# KiCad board SP110Duo.kicad_pcb (continued)
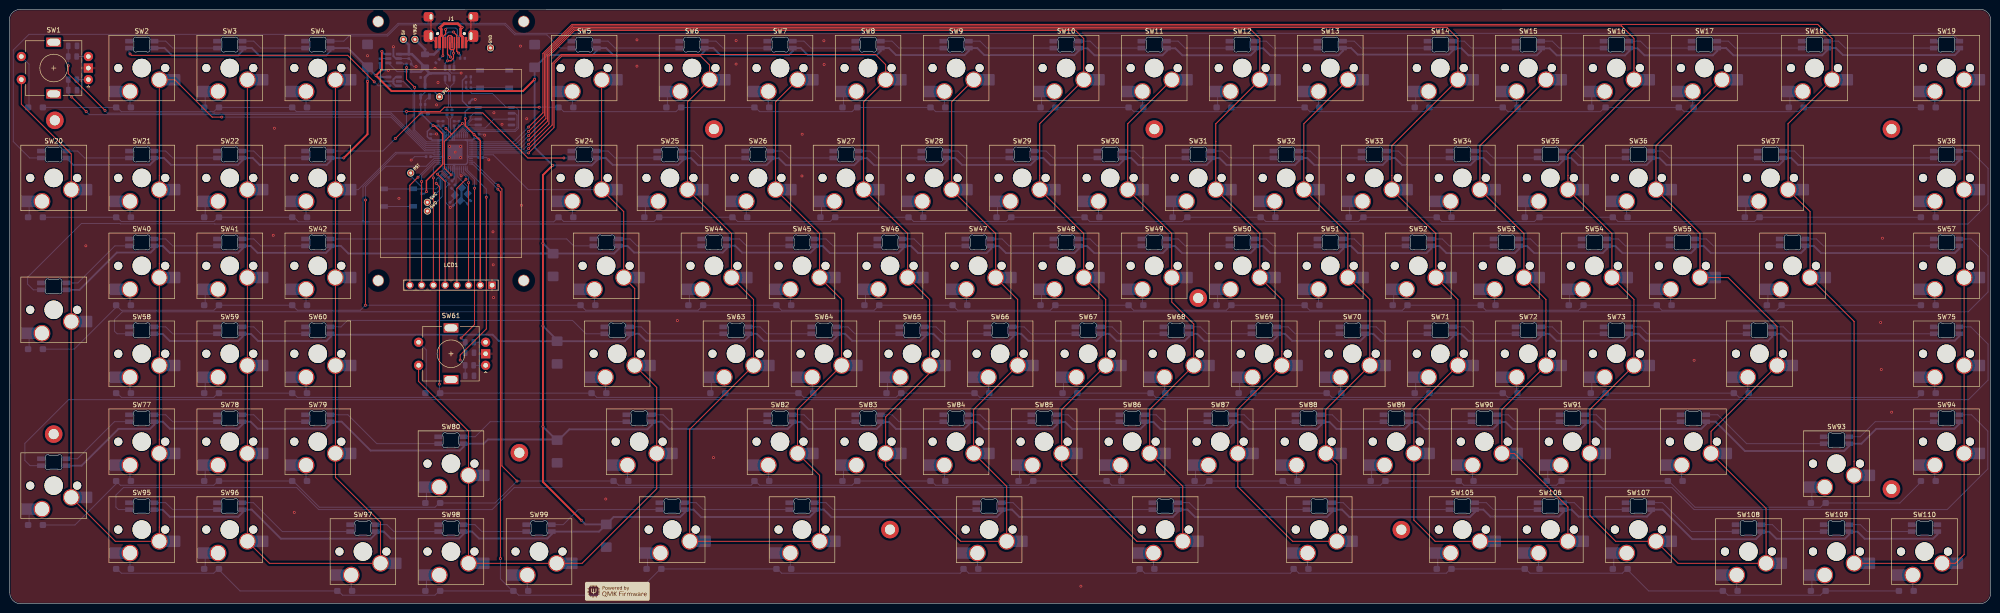
[diagram p0: board, top side]
## Nets
5V_Reg: C1.2 C3.2 F1.2 R5.2 TP2.1 U1.3 U2.1 U3.5
+1V1: C15.1 C16.1 C25.1 U4.23 U4.45 U4.50
+3V3: C2.2 C14.1 C17.1 C18.1 C19.1 C20.1 C21.1 C26.1 C27.1 C28.1 LCD1.2 R9.2 R10.2 TP3.1 U1.2 U4.1 U4.10 U4.22 U4.33 U4.42 U4.43 U4.44 U4.48 U4.49 U6.8
GND: BOOT1.2 C1.1 C2.1 C3.1 C4.2 C5.2 C6.2 C7.2 C8.2 C9.2 C10.1 C11.1 C12.1 C13.2 C14.2 C15.2 C16.2 C17.2 C18.2 C19.2 C20.2 C21.2 C22.1 C23.1 C24.1 C25.2 C26.2 C27.2 C28.2 J1.A1 J1.B1 J1.S1 LCD1.1 R1.2 R2.2 R6.2 R7.1 RST1.2 SW1.C SW2.6 SW3.6 SW4.6 SW5.6 SW6.6 SW7.6 SW8.6 SW9.6 SW10.6 SW11.6 SW12.6 SW13.6 SW14.6 SW15.6 SW16.6 SW17.6 SW18.6 SW19.6 SW20.6 SW21.6 SW22.6 SW23.6 SW24.6 SW25.6 SW26.6 SW27.6 SW28.6 SW29.6 SW30.6 SW31.6 SW32.6 SW33.6 SW34.6 SW35.6 SW36.6 SW37.6 SW38.6 SW39.6 SW40.6 SW41.6 SW42.6 SW43.6 SW44.6 SW45.6 SW46.6 SW47.6 SW48.6 SW49.6 SW50.6 SW51.6 SW52.6 SW53.6 SW54.6 SW55.6 SW56.6 SW57.6 SW58.6 SW59.6 SW60.6 SW61.C SW62.6 SW63.6 SW64.6 SW65.6 SW66.6 SW67.6 SW68.6 SW69.6 SW70.6 SW71.6 SW72.6 SW73.6 SW74.6 SW75.6 SW76.6 SW77.6 SW78.6 SW79.6 SW80.6 SW81.6 SW82.6 SW83.6 SW84.6 SW85.6 SW86.6 SW87.6 SW88.6 SW89.6 SW90.6 SW91.6 SW92.6 SW93.6 SW94.6 SW95.6 SW96.6 SW97.6 SW98.6 SW99.6 SW100.6 SW101.6 SW102.6 SW103.6 SW104.6 SW105.6 SW106.6 SW107.6 SW108.6 SW109.6 SW110.6 TP4.1 U1.1 U2.2 U3.2 U4.19 U4.57 U5.1 U5.3 U6.4 Y1.2 Y1.4
VBUS: F1.1 J1.A4 J1.B4 TP1.1
C_ILIM: R6.1 U2.5
COL0: SW1.S2 SW2.1 SW20.1 SW21.1 SW39.1 SW40.1 SW58.1 SW76.1 SW77.1 SW95.1 U4.36
COL1: SW3.1 SW4.1 SW22.1 SW23.1 SW41.1 SW42.1 SW59.1 SW60.1 SW78.1 SW79.1 SW96.1 SW97.1 U4.35
COL2: SW5.1 SW24.1 SW43.1 SW61.S2 SW62.1 SW80.1 SW81.1 SW98.1 SW99.1 U4.9
COL3: SW6.1 SW7.1 SW25.1 SW26.1 SW44.1 SW45.1 SW63.1 SW64.1 SW82.1 SW100.1 SW101.1 U4.8
COL4: SW8.1 SW9.1 SW27.1 SW28.1 SW46.1 SW47.1 SW65.1 SW66.1 SW83.1 SW84.1 SW102.1 U4.7
COL5: SW10.1 SW11.1 SW29.1 SW30.1 SW48.1 SW49.1 SW67.1 SW68.1 SW85.1 SW86.1 SW103.1 U4.6
COL6: SW12.1 SW13.1 SW31.1 SW32.1 SW50.1 SW51.1 SW69.1 SW70.1 SW87.1 SW88.1 SW104.1 U4.5
COL7: SW14.1 SW15.1 SW33.1 SW34.1 SW52.1 SW53.1 SW71.1 SW72.1 SW89.1 SW90.1 SW105.1 SW106.1 U4.4
COL8: SW16.1 SW17.1 SW35.1 SW36.1 SW54.1 SW55.1 SW73.1 SW74.1 SW91.1 SW92.1 SW107.1 SW108.1 U4.3
COL9: SW18.1 SW19.1 SW37.1 SW38.1 SW56.1 SW57.1 SW75.1 SW93.1 SW94.1 SW109.1 SW110.1 U4.2
D+: R3.1 U3.4
D-: R4.1 U3.6
DL+: J1.A6 J1.B6 U3.3
DL-: J1.A7 J1.B7 U3.1
ENC1_A: C22.2 R13.1 U4.37
ENC1_B: C23.2 R14.1 U4.38
ENC2_A: C10.2 R16.1 U4.15
ENC2_B: C24.2 R15.1 U4.16
LCD_BL_PWM: LCD1.8 U4.31
LCD_CS: LCD1.7 U4.30
LCD_DC: LCD1.6 U4.29
LCD_MOSI/SDA: LCD1.4 U4.18
LCD_RESET: LCD1.5 U4.28
LCD_SCK/SCL: LCD1.3 U4.17
LED_DAT_3V3: U4.40 U5.2
LED_DAT_5V: SW2.5 U5.4
LED_EN: R7.2 U2.3 U4.41
LED_NFAULT: R5.1 U2.4
LED_PWR: C4.1 C5.1 C6.1 C7.1 C8.1 C9.1 C13.1 SW2.3 SW3.3 SW4.3 SW5.3 SW6.3 SW7.3 SW8.3 SW9.3 SW10.3 SW11.3 SW12.3 SW13.3 SW14.3 SW15.3 SW16.3 SW17.3 SW18.3 SW19.3 SW20.3 SW21.3 SW22.3 SW23.3 SW24.3 SW25.3 SW26.3 SW27.3 SW28.3 SW29.3 SW30.3 SW31.3 SW32.3 SW33.3 SW34.3 SW35.3 SW36.3 SW37.3 SW38.3 SW39.3 SW40.3 SW41.3 SW42.3 SW43.3 SW44.3 SW45.3 SW46.3 SW47.3 SW48.3 SW49.3 SW50.3 SW51.3 SW52.3 SW53.3 SW54.3 SW55.3 SW56.3 SW57.3 SW58.3 SW59.3 SW60.3 SW62.3 SW63.3 SW64.3 SW65.3 SW66.3 SW67.3 SW68.3 SW69.3 SW70.3 SW71.3 SW72.3 SW73.3 SW74.3 SW75.3 SW76.3 SW77.3 SW78.3 SW79.3 SW80.3 SW81.3 SW82.3 SW83.3 SW84.3 SW85.3 SW86.3 SW87.3 SW88.3 SW89.3 SW90.3 SW91.3 SW92.3 SW93.3 SW94.3 SW95.3 SW96.3 SW97.3 SW98.3 SW99.3 SW100.3 SW101.3 SW102.3 SW103.3 SW104.3 SW105.3 SW106.3 SW107.3 SW108.3 SW109.3 SW110.3 U2.6 U5.5
QSPI_SCLK: U4.52 U6.6
QSPI_SD0: U4.53 U6.5
QSPI_SD1: U4.55 U6.2
QSPI_SD2: U4.54 U6.3
QSPI_SD3: U4.51 U6.7
QSPI_SS: R11.1 R12.2 U4.56 U6.1
RESET: R10.1 RST1.1 TP5.1 U4.26
ROT1_A: R13.2 SW1.A
ROT1_B: R14.2 SW1.B
ROT2_A: R16.2 SW61.A
ROT2_B: R15.2 SW61.B
ROW0: D1.2 D2.1 D3.2 D4.1 D5.1 D6.2 D7.1 D8.2 D9.1 D10.2 D11.1 D12.2 D13.1 D14.2 D15.1 D16.2 D17.1 D18.2 D19.1 U4.39
ROW1: D20.2 D21.1 D22.2 D23.1 D24.1 D25.2 D26.1 D27.2 D28.1 D29.2 D30.1 D31.2 D32.1 D33.2 D34.1 D35.2 D36.1 D37.2 D38.1 U4.34
ROW2: D39.2 D40.1 D41.2 D42.1 D43.1 D44.2 D45.1 D46.2 D47.1 D48.2 D49.1 D50.2 D51.1 D52.2 D53.1 D54.2 D55.1 D56.2 D57.1 U4.32
ROW3: D58.1 D59.2 D60.1 D61.2 D62.1 D63.2 D64.1 D65.2 D66.1 D67.2 D68.1 D69.2 D70.1 D71.2 D72.1 D73.2 D74.1 D75.1 U4.27
ROW4: D76.2 D77.1 D78.2 D79.1 D80.2 D81.1 D82.1 D83.2 D84.1 D85.2 D86.1 D87.2 D88.1 D89.2 D90.1 D91.2 D92.1 D93.2 D94.1 U4.13
ROW5: D95.1 D96.2 D97.1 D98.2 D99.1 D100.2 D101.1 D102.1 D103.1 D104.1 D105.2 D106.1 D107.2 D108.1 D109.2 D110.1 U4.14
SWC: TP6.1 U4.24
SWD: TP7.1 U4.25
XIN: C11.2 U4.20 Y1.3
XOUT: R8.1 U4.21
Net-(BOOT1-Pad1): BOOT1.1 R12.1
Net-(C12-Pad2): C12.2 R8.2 Y1.1
Net-(D1-K): D1.1 SW1.S1
Net-(D2-A): D2.2 SW2.2
Net-(D3-K): D3.1 SW3.2
Net-(D4-A): D4.2 SW4.2
Net-(D5-A): D5.2 SW5.2
Net-(D6-K): D6.1 SW6.2
Net-(D7-A): D7.2 SW7.2
Net-(D8-K): D8.1 SW8.2
Net-(D9-A): D9.2 SW9.2
Net-(D10-K): D10.1 SW10.2
Net-(D11-A): D11.2 SW11.2
Net-(D12-K): D12.1 SW12.2
Net-(D13-A): D13.2 SW13.2
Net-(D14-K): D14.1 SW14.2
Net-(D15-A): D15.2 SW15.2
Net-(D16-K): D16.1 SW16.2
Net-(D17-A): D17.2 SW17.2
Net-(D18-K): D18.1 SW18.2
Net-(D19-A): D19.2 SW19.2
Net-(D20-K): D20.1 SW20.2
Net-(D21-A): D21.2 SW21.2
Net-(D22-K): D22.1 SW22.2
Net-(D23-A): D23.2 SW23.2
Net-(D24-A): D24.2 SW24.2
Net-(D25-K): D25.1 SW25.2
Net-(D26-A): D26.2 SW26.2
Net-(D27-K): D27.1 SW27.2
Net-(D28-A): D28.2 SW28.2
Net-(D29-K): D29.1 SW29.2
Net-(D30-A): D30.2 SW30.2
Net-(D31-K): D31.1 SW31.2
Net-(D32-A): D32.2 SW32.2
Net-(D33-K): D33.1 SW33.2
Net-(D34-A): D34.2 SW34.2
Net-(D35-K): D35.1 SW35.2
Net-(D36-A): D36.2 SW36.2
Net-(D37-K): D37.1 SW37.2
Net-(D38-A): D38.2 SW38.2
Net-(D39-K): D39.1 SW39.2
Net-(D40-A): D40.2 SW40.2
Net-(D41-K): D41.1 SW41.2
Net-(D42-A): D42.2 SW42.2
Net-(D43-A): D43.2 SW43.2
Net-(D44-K): D44.1 SW44.2
Net-(D45-A): D45.2 SW45.2
Net-(D46-K): D46.1 SW46.2
Net-(D47-A): D47.2 SW47.2
Net-(D48-K): D48.1 SW48.2
Net-(D49-A): D49.2 SW49.2
Net-(D50-K): D50.1 SW50.2
Net-(D51-A): D51.2 SW51.2
Net-(D52-K): D52.1 SW52.2
Net-(D53-A): D53.2 SW53.2
Net-(D54-K): D54.1 SW54.2
Net-(D55-A): D55.2 SW55.2
Net-(D56-K): D56.1 SW56.2
Net-(D57-A): D57.2 SW57.2
Net-(D58-A): D58.2 SW58.2
Net-(D59-K): D59.1 SW59.2
Net-(D60-A): D60.2 SW60.2
Net-(D61-K): D61.1 SW61.S1
Net-(D62-A): D62.2 SW62.2
Net-(D63-K): D63.1 SW63.2
Net-(D64-A): D64.2 SW64.2
Net-(D65-K): D65.1 SW65.2
Net-(D66-A): D66.2 SW66.2
Net-(D67-K): D67.1 SW67.2
Net-(D68-A): D68.2 SW68.2
Net-(D69-K): D69.1 SW69.2
Net-(D70-A): D70.2 SW70.2
Net-(D71-K): D71.1 SW71.2
Net-(D72-A): D72.2 SW72.2
Net-(D73-K): D73.1 SW73.2
Net-(D74-A): D74.2 SW74.2
Net-(D75-A): D75.2 SW75.2
Net-(D76-K): D76.1 SW76.2
Net-(D77-A): D77.2 SW77.2
Net-(D78-K): D78.1 SW78.2
Net-(D79-A): D79.2 SW79.2
Net-(D80-K): D80.1 SW80.2
Net-(D81-A): D81.2 SW81.2
Net-(D82-A): D82.2 SW82.2
Net-(D83-K): D83.1 SW83.2
Net-(D84-A): D84.2 SW84.2
Net-(D85-K): D85.1 SW85.2
Net-(D86-A): D86.2 SW86.2
Net-(D87-K): D87.1 SW87.2
Net-(D88-A): D88.2 SW88.2
Net-(D89-K): D89.1 SW89.2
Net-(D90-A): D90.2 SW90.2
Net-(D91-K): D91.1 SW91.2
Net-(D92-A): D92.2 SW92.2
Net-(D93-K): D93.1 SW93.2
Net-(D94-A): D94.2 SW94.2
Net-(D95-A): D95.2 SW95.2
Net-(D96-K): D96.1 SW96.2
Net-(D97-A): D97.2 SW97.2
Net-(D98-K): D98.1 SW98.2
Net-(D99-A): D99.2 SW99.2
Net-(D100-K): D100.1 SW100.2
Net-(D101-A): D101.2 SW101.2
Net-(D102-A): D102.2 SW102.2
Net-(D103-A): D103.2 SW103.2
Net-(D104-A): D104.2 SW104.2
Net-(D105-K): D105.1 SW105.2
Net-(D106-A): D106.2 SW106.2
Net-(D107-K): D107.1 SW107.2
Net-(D108-A): D108.2 SW108.2
Net-(D109-K): D109.1 SW109.2
Net-(D110-A): D110.2 SW110.2
Net-(J1-CC1): J1.A5 R1.1
Net-(J1-CC2): J1.B5 R2.1
Net-(R11-Pad2): R9.1 R11.2
Net-(SW2-DOUT): SW2.4 SW3.5
Net-(SW3-DOUT): SW3.4 SW4.5
Net-(SW4-DOUT): SW4.4 SW5.5
Net-(SW5-DOUT): SW5.4 SW6.5
Net-(SW6-DOUT): SW6.4 SW7.5
Net-(SW7-DOUT): SW7.4 SW8.5
Net-(SW8-DOUT): SW8.4 SW9.5
Net-(SW10-DIN): SW9.4 SW10.5
Net-(SW10-DOUT): SW10.4 SW11.5
Net-(SW11-DOUT): SW11.4 SW12.5
Net-(SW12-DOUT): SW12.4 SW13.5
Net-(SW13-DOUT): SW13.4 SW14.5
Net-(SW14-DOUT): SW14.4 SW15.5
Net-(SW15-DOUT): SW15.4 SW16.5
Net-(SW16-DOUT): SW16.4 SW17.5
Net-(SW17-DOUT): SW17.4 SW18.5
Net-(SW18-DOUT): SW18.4 SW19.5
Net-(SW19-DOUT): SW19.4 SW20.5
Net-(SW20-DOUT): SW20.4 SW21.5
Net-(SW21-DOUT): SW21.4 SW22.5
Net-(SW22-DOUT): SW22.4 SW23.5
Net-(SW23-DOUT): SW23.4 SW24.5
Net-(SW24-DOUT): SW24.4 SW25.5
Net-(SW25-DOUT): SW25.4 SW26.5
Net-(SW26-DOUT): SW26.4 SW27.5
Net-(SW27-DOUT): SW27.4 SW28.5
Net-(SW28-DOUT): SW28.4 SW29.5
Net-(SW29-DOUT): SW29.4 SW30.5
Net-(SW30-DOUT): SW30.4 SW31.5
Net-(SW31-DOUT): SW31.4 SW32.5
Net-(SW32-DOUT): SW32.4 SW33.5
Net-(SW33-DOUT): SW33.4 SW34.5
Net-(SW34-DOUT): SW34.4 SW35.5
Net-(SW35-DOUT): SW35.4 SW36.5
Net-(SW36-DOUT): SW36.4 SW37.5
Net-(SW37-DOUT): SW37.4 SW38.5
Net-(SW38-DOUT): SW38.4 SW39.5
Net-(SW39-DOUT): SW39.4 SW40.5
Net-(SW40-DOUT): SW40.4 SW41.5
Net-(SW41-DOUT): SW41.4 SW42.5
Net-(SW42-DOUT): SW42.4 SW43.5
Net-(SW43-DOUT): SW43.4 SW44.5
Net-(SW44-DOUT): SW44.4 SW45.5
Net-(SW45-DOUT): SW45.4 SW46.5
Net-(SW46-DOUT): SW46.4 SW47.5
Net-(SW47-DOUT): SW47.4 SW48.5
Net-(SW48-DOUT): SW48.4 SW49.5
Net-(SW49-DOUT): SW49.4 SW50.5
Net-(SW50-DOUT): SW50.4 SW51.5
Net-(SW51-DOUT): SW51.4 SW52.5
Net-(SW52-DOUT): SW52.4 SW53.5
Net-(SW53-DOUT): SW53.4 SW54.5
Net-(SW54-DOUT): SW54.4 SW55.5
Net-(SW55-DOUT): SW55.4 SW56.5
Net-(SW56-DOUT): SW56.4 SW57.5
Net-(SW57-DOUT): SW57.4 SW58.5
Net-(SW58-DOUT): SW58.4 SW59.5
Net-(SW59-DOUT): SW59.4 SW60.5
Net-(SW60-DOUT): SW60.4 SW62.5
Net-(SW62-DOUT): SW62.4 SW63.5
Net-(SW63-DOUT): SW63.4 SW64.5
Net-(SW64-DOUT): SW64.4 SW65.5
Net-(SW65-DOUT): SW65.4 SW66.5
Net-(SW66-DOUT): SW66.4 SW67.5
Net-(SW67-DOUT): SW67.4 SW68.5
Net-(SW68-DOUT): SW68.4 SW69.5
Net-(SW69-DOUT): SW69.4 SW70.5
Net-(SW70-DOUT): SW70.4 SW71.5
Net-(SW71-DOUT): SW71.4 SW72.5
Net-(SW72-DOUT): SW72.4 SW73.5
Net-(SW73-DOUT): SW73.4 SW74.5
Net-(SW74-DOUT): SW74.4 SW75.5
Net-(SW75-DOUT): SW75.4 SW76.5
Net-(SW76-DOUT): SW76.4 SW77.5
Net-(SW77-DOUT): SW77.4 SW78.5
Net-(SW78-DOUT): SW78.4 SW79.5
Net-(SW79-DOUT): SW79.4 SW80.5
Net-(SW80-DOUT): SW80.4 SW81.5
Net-(SW81-DOUT): SW81.4 SW82.5
Net-(SW82-DOUT): SW82.4 SW83.5
Net-(SW83-DOUT): SW83.4 SW84.5
Net-(SW84-DOUT): SW84.4 SW85.5
Net-(SW85-DOUT): SW85.4 SW86.5
Net-(SW86-DOUT): SW86.4 SW87.5
Net-(SW87-DOUT): SW87.4 SW88.5
Net-(SW88-DOUT): SW88.4 SW89.5
Net-(SW89-DOUT): SW89.4 SW90.5
Net-(SW90-DOUT): SW90.4 SW91.5
Net-(SW91-DOUT): SW91.4 SW92.5
Net-(SW92-DOUT): SW92.4 SW93.5
Net-(SW93-DOUT): SW93.4 SW94.5
Net-(SW94-DOUT): SW94.4 SW95.5
Net-(SW95-DOUT): SW95.4 SW96.5
Net-(SW96-DOUT): SW96.4 SW97.5
Net-(SW97-DOUT): SW97.4 SW98.5
Net-(SW98-DOUT): SW98.4 SW99.5
Net-(SW100-DIN): SW99.4 SW100.5
Net-(SW100-DOUT): SW100.4 SW101.5
Net-(SW101-DOUT): SW101.4 SW102.5
Net-(SW102-DOUT): SW102.4 SW103.5
Net-(SW103-DOUT): SW103.4 SW104.5
Net-(SW104-DOUT): SW104.4 SW105.5
Net-(SW105-DOUT): SW105.4 SW106.5
Net-(SW106-DOUT): SW106.4 SW107.5
Net-(SW107-DOUT): SW107.4 SW108.5
Net-(SW108-DOUT): SW108.4 SW109.5
Net-(SW109-DOUT): SW109.4 SW110.5
Net-(U4-USB_DM): R4.2 U4.46
Net-(U4-USB_DP): R3.2 U4.47

Pads without a net: H1 1; H2 1; H3 1; H4 1; H5 1; H6 1; H7 1; H8 1; H9 1; H10 1; J1 ~; SW1 MP; SW61 MP; SW110 4; U4 11 12

## Via types
v1: diameter 0.6, hole 0.3, Top to Bottom, 115 vias

## Routing (per net, layer and track width the routed paths; a pad name or vN(x,y) marks a point on that pad's centre or on a via; arc(x,y) is an arc through that point)
5V_Reg: length 24.4
  Bottom w0.55: U1.3 C1.2 90.89,114.96 91.26,114.96 ; F1.2 87.13,119.1 C3.2 ; F1.2 89.98,115.95 90.96,114.96 91.26,114.96 ; F1.2 89.03,115.3 R5.2 ; TP2.1 86.48,121.1 C3.2 ; 91.26,114.96 94.91,114.96 95.28,114.6 U3.5 ; C3.2 U2.1
+1V1: length 23.6
  Top w0.2: 95.73,101.74 95.73,101.76 v1(94.48,103) ; v1(95.62,92.93) 94.18,94.38 94.18,100.19 v1(98.08,104.09)
  Bottom w0.2: U4.45 94.68,102.81 v1(94.48,103) C25.1 ; v1(98.08,104.09) 97.6,103.61 C15.1 96.68,102.91 U4.50 ; C16.1 95.88,93.19 U4.23
+3V3: length 135.2
  Top w0.3: LCD1.2 101.93,100.34 v1(100.58,101.7) 98.68,103.6 v1(98.68,105.15) ; v1(91.72,103.61) 92.02,103.61 93.78,101.85 93.78,95.2 90.28,91.7 v1(90.28,89.3)
  Bottom w0.3: 93.88,96.68 93.88,95.58 94.27,95.18 96.07,95.18 ; 93.88,96.68 93.67,96.89 ; 93.88,96.68 93.88,97.08 ; R9.2 98.08,113.42 98.08,108.95 99.47,107.56 C14.1 ; 93.88,100.18 93.88,100.48 93.87,100.49 ; 93.88,100.18 93.88,97.08 ; 93.88,100.18 93.88,100.19 ; v1(90.28,89.3) 89.87,88.89 R10.2 ; v1(91.72,103.61) C27.1 93.88,102.49 ; v1(91.72,103.61) C17.1 C2.2 U1.2 90.2,111.1 91.85,111.1 TP3.1 ; v1(91.72,103.61) 90.48,102.37 90.48,101.2 90.87,100.8 C20.1 91.49,100.49 U4.42 ; 98.71,100.49 98.86,100.49 99.17,100.18 ; 98.71,100.49 99.17,100.49 ; 98.71,100.49 96.28,100.49 ; 93.67,96.89 93.68,96.89 93.88,97.08 ; 93.67,96.89 93.67,96.89 ; 93.68,100.49 93.88,100.29 93.88,100.19 ; 93.68,100.49 93.67,100.49 ; 93.68,100.49 93.88,100.68 ; 95.88,100.49 96.28,100.49 ; 95.88,100.49 94.17,100.49 ; 95.88,100.49 U4.48 95.88,101.78 96.28,102.18 ; 96.28,100.49 U4.49 96.28,102.18 ; 99.17,100.49 U4.1 100.27,100.49 100.59,100.8 ; 99.17,100.49 99.17,100.18 ; 96.28,94.98 U4.22 96.28,92.09 C26.1 ; 96.28,94.98 96.28,95.18 ; 96.28,94.98 96.27,94.98 96.07,95.18 ; 96.28,94.98 96.28,94.99 96.47,95.18 ; 93.67,100.49 93.87,100.49 ; 93.67,100.49 U4.42 ; 93.87,100.49 94.17,100.49 ; C18.1 101.34,96.89 U4.10 99.37,96.89 ; 96.28,102.18 96.28,103.3 ; 100.59,100.8 C21.1 ; 100.59,100.8 100.58,100.82 v1(100.58,101.7) ; 99.37,96.89 99.17,96.89 ; 99.37,96.89 99.37,96.88 99.17,96.68 ; 99.37,96.89 99.36,96.89 99.17,97.08 ; 96.28,95.18 96.07,95.18 ; 96.28,95.18 96.47,95.18 ; C14.1 U6.8 ; C14.1 98.68,106.66 v1(98.68,105.15) ; 93.67,96.89 U4.33 C19.1 ; 93.67,96.89 93.88,96.89 ; 93.88,102.49 94.28,102.1 U4.44 94.28,100.59 ; 93.88,102.49 93.88,102.49 U4.43 93.88,100.68 ; 93.88,100.68 93.88,100.39 ; 99.17,97.08 99.17,96.89 ; 99.17,97.08 99.17,100.18 ; 99.17,96.89 99.17,96.68 ; 96.47,95.18 98.77,95.18 99.17,95.58 99.17,96.68 ; 94.17,100.49 93.88,100.19 ; U4.42 92.66,100.49
GND: length 71.9
  Top w0.2: 98.81,121.6 100.22,123.02 J1.S1 ; J1.S1 J1.S1 ; 92.36,121.6 91.26,122.7 J1.S1 J1.S1
  Bottom w0.2: U3.2 95.28,115.43 95.71,115 v1(97.78,115) ; C28.2 C15.2 ; C19.2 87.72,96.89 v1(86.98,96.15) ; Y1.4 97.87,87.58 ; Y1.4 97.09,87.32 C12.1 95.66,85.9 v1(95.43,85.9) 94.48,86.85 94.48,90.3 94.79,90.61 94.8,90.61 C26.2 94.43,91.64 C16.2 ; Y1.4 98.49,87.32 C11.1 ; RST1.2 RST1.2 ; U2.2 86.47,118.15 C3.1 86.99,117.63 R7.1 87.54,116.4 v1(88.03,116.4) ; C27.2 C25.2 ; U1.1 89.99,108.98 C2.1 89.98,108.19 89.98,106.9 C17.2 ; 97.87,89.98 Y1.2 ; C20.2 92.44,101.76 v1(92.48,101.8) ; v1(102.88,101.55) 102.66,101.76 C21.2 ; v1(97.78,92.75) 97.48,93.05 U4.19 ; C18.2 103.25,96.73 v1(103.78,96.2)
  Bottom w0.4: U5.3 83.64,112.25 83.13,112.76 83.13,113.2 ; v1(100.83,109.3) 100.18,109.3 99.58,108.7 C14.2 ; 97.87,87.58 97.87,89.98 ; U2.2 83.65,118.15 83.13,118.67 v1(83.13,120.7) ; 83.13,113.2 83.12,113.19 C13.2 ; 83.13,113.2 83.13,113.63 83.64,114.15 U5.1 ; v1(82.03,115.6) 80.68,115.6 80.23,116.05 R6.2
  vias: v1(16.58,77.56) v1(57.13,79.85) v1(57.38,103.05) v1(61.68,19.8) v1(77.53,118.75) v1(84.33,87.85) v1(92.13,116) v1(92.48,108.1) v1(92.78,112.95) v1(95.28,99.09) v1(95.28,96.69) v1(95.68,54.15) v1(96.48,97.89) v1(97.68,99.09) v1(97.68,96.69) v1(104.68,80.6) v1(104.73,73.45) v1(104.78,66.35) v1(104.88,106.4) v1(106.63,103.9) v1(110.63,120.85) v1(110.83,86.35) v1(111.98,105.1) v1(129.08,22.7) v1(135.83,122.2) v1(135.83,116.5) v1(144.56,61.36) v1(152.38,31.66) v1(157.28,122.05) v1(157.28,116.95) v1(171.53,92.7) v1(171.58,101.75) v1(176.28,122) v1(176.33,116.85) v1(231.88,3.81) v1(364.58,52.76) v1(404.93,60.96) v1(405.08,50.76) v1(405.33,79.22) v1(407.31,41.51)
VBUS: length 28.8
  Top w0.55: 98.03,121.6 98.03,122.85 97.67,123.21 97.67,124.59 v1(97.98,124.9) 97.88,124.9 97.08,125.7 94.08,125.7 v1(93.18,124.8) 93.49,124.48 93.49,123.21 93.13,122.85 93.13,121.6
  Bottom w0.55: v1(97.98,124.9) 97.67,124.59 97.67,123.21 98.03,122.85 98.03,121.6 ; TP1.1 87.83,122.3 89.98,120.15 89.96,120.13 89.98,120.11 F1.1 91.93,119.05 93.13,120.25 93.13,122.85 93.49,123.21 93.49,124.48 v1(93.18,124.8)
C_ILIM: length 1.8
  Bottom w0.2: 80.28,118.15 U2.5
COL0: length 285
  Top w0.2: v1(45.98,105.45) 43.92,105.45 35.83,113.54 SW2.1 32.48,113.54 32.48,92.8 32.47,92.8 32.47,89.74 SW21.1 32.48,89.73 32.48,73.75 32.47,73.75 32.47,70.69 SW40.1 32.48,70.68 32.48,54.7 32.47,54.7 32.47,51.64 SW58.1 32.48,51.63 32.48,35.65 32.47,35.65 32.47,32.59 SW77.1 32.48,32.58 32.48,16.6 32.47,16.6 32.47,13.54 SW95.1 22.95,13.53 SW76.1 13.38,23.11 13.38,61.1 SW39.1 13.42,61.16 13.42,89.73 SW20.1 13.42,89.74 13.42,97.45 2.62,108.25 SW1.S2
  Bottom w0.2: v1(45.98,105.45) 82.6,105.45 89.91,98.15 92,98.15 92.07,98.09 U4.36
COL1: length 265.5
  Top w0.2: SW3.1 51.52,113.54 51.52,13.54 SW96.1 56.29,8.77 SW97.1 80.34,8.77 80.34,17.65 70.58,27.4 SW79.1 70.57,32.59 70.57,113.54 SW4.1
  Bottom w0.2: SW23.1 75.51,89.73 83.6,97.82 91.87,97.82 92,97.69 U4.35
COL2: length 219.8
  Top w0.2: SW5.1 128.18,113.52 128.18,89.76 SW24.1 132.96,84.97 132.96,70.69 SW43.1 135.34,68.31 135.34,51.64 SW62.1 140.11,46.87 140.11,32.59 SW81.1 140.11,24.93 123.95,8.77 SW99.1 SW98.1 99.38,8.79 99.38,27.8 SW80.1 99.39,27.82 99.39,37.38 88.58,48.19 SW61.S2
  Bottom w0.2: U4.9 104.74,97.29 112.29,89.73 SW24.1
COL3: length 328
  Top w0.2: SW7.1 165.82,108.78 165.82,89.74 SW26.1 175.35,80.21 175.35,70.69 SW45.1 180.11,65.92 180.11,51.64 SW64.1 170.58,42.09 170.58,32.6 SW82.1 175.35,27.82 175.35,13.54 SW101.1 SW100.1 147.25,13.54 147.25,37.82 SW63.1 161.06,51.64 161.06,65.92 SW44.1 156.3,70.69 156.3,80.21 SW25.1 146.77,89.74 146.77,108.78 SW6.1 151.54,116.73 149.58,118.7 119.58,118.7 117.88,117 117.88,103.2 v1(112.38,97.7)
  Bottom w0.2: v1(112.38,97.7) 112.37,97.69 U4.8
COL4: length 353.8
  Top w0.2: SW9.1 203.92,108.78 203.92,89.74 SW28.1 213.45,80.21 213.45,70.69 SW47.1 218.21,65.92 218.21,51.64 SW66.1 208.68,42.09 208.68,32.6 SW84.1 215.83,25.44 215.83,13.54 SW102.1 205.89,13.53 189.64,29.78 SW83.1 189.64,32.59 189.64,40.49 199.17,50.02 SW65.1 199.16,51.64 199.16,65.92 SW46.1 194.4,70.69 194.4,80.21 SW27.1 184.87,89.74 184.87,108.78 SW8.1 189.64,116.83 187.45,119.02 119.44,119.02 117.48,117.06 117.48,103.75 112.38,98.65 v1(112.38,98.63)
  Bottom w0.2: v1(112.38,98.63) 111.83,98.09 U4.7
COL5: length 408.8
  Top w0.2: v1(112.38,99.56) 116.78,103.96 116.78,118.7 122.32,124.24 230.73,124.24 232.5,122.47 SW10.1 222.98,104.02 222.98,92.8 222.97,92.8 222.97,89.74 SW29.1 232.5,80.21 232.5,70.69 SW48.1 237.26,65.92 237.26,51.64 SW67.1 227.74,42.1 227.74,32.59 SW85.1 227.74,29.78 243.99,13.53 SW103.1 253.93,13.54 253.93,25.44 SW86.1 246.79,32.59 246.79,42.1 SW68.1 256.31,51.64 256.31,60.61 251.55,65.37 SW49.1 251.55,70.69 251.55,80.21 SW30.1 242.02,89.74 242.02,104.01 SW11.1
  Bottom w0.2: U4.6 111.3,98.49 v1(112.38,99.56)
COL6: length 442.6
  Top w0.2: SW13.1 280.12,104.01 280.12,89.74 SW32.1 289.65,80.21 289.65,70.69 SW51.1 294.41,65.92 294.41,51.64 SW70.1 284.88,42.09 284.88,32.6 SW88.1 287.27,30.21 287.27,13.54 SW104.1 277.69,13.53 265.84,25.38 SW87.1 265.84,32.59 265.84,42.1 SW69.1 275.36,51.64 275.36,54.7 275.38,54.72 275.38,65.91 SW50.1 270.6,70.69 270.6,80.21 SW31.1 261.07,89.74 261.07,100.19 261.08,100.2 261.07,100.2 261.07,104.01 SW12.1 270.6,122.47 268.51,124.56 122.18,124.56 116.45,118.83 116.45,104.57 v1(112.38,100.5)
  Bottom w0.2: U4.5 110.77,98.89 v1(112.38,100.5)
COL7: length 511.9
  Top w0.2: SW15.1 318.22,99.25 318.22,89.74 SW34.1 327.75,80.21 327.75,70.69 SW53.1 332.51,65.92 332.51,51.64 SW72.1 322.98,42.09 322.98,32.6 SW90.1 325.66,32.58 337.27,20.96 337.27,13.54 SW106.1 SW105.1 308.54,13.53 303.94,18.13 SW89.1 303.94,32.59 303.94,42.1 SW71.1 313.46,51.64 313.46,65.92 SW52.1 308.68,70.71 308.68,80.23 SW33.1 299.17,89.74 299.17,92.8 299.18,92.8 299.18,99.25 SW14.1 313.47,122.51 311.08,124.89 122.05,124.89 116.12,118.97 116.12,105.18 v1(112.38,101.43)
  Bottom w0.2: v1(112.38,101.43) 110.23,99.29 U4.4
COL8: length 568.7
  Top w0.2: v1(112.38,102.36) 115.79,105.78 115.79,119.1 121.91,125.22 348.85,125.22 351.57,122.51 SW16.1 351.57,111.65 337.28,97.36 337.28,92.8 337.27,92.8 337.27,89.74 SW35.1 346.8,80.21 346.8,70.69 SW54.1 351.56,65.92 351.56,51.64 SW73.1 342.04,42.1 342.04,32.59 SW91.1 342.04,19.09 347.6,13.53 SW107.1 361.09,8.77 SW108.1 380.14,8.77 380.14,20.68 SW92.1 368.23,32.59 368.23,37.34 SW74.1 382.52,51.64 382.52,60.12 371.95,70.68 SW55.1 365.85,70.69 365.85,80.21 SW36.1 356.32,89.74 356.32,99.25 SW17.1
  Bottom w0.2: U4.3 109.7,99.69 v1(112.38,102.36)
COL9: length 564.9
  Top w0.2: v1(112.38,103.3) 115.47,106.39 115.47,119.24 121.78,125.55 391.33,125.55 394.43,122.44 SW18.1 384.9,104.01 384.9,89.74 SW37.1 389.66,84.97 389.66,70.69 SW56.1 399.19,61.16 399.19,30.89 399.19,30.89 399.19,27.82 SW93.1 399.18,27.8 399.18,8.78 SW109.1 SW110.1 421.1,8.77 423,10.67 SW94.1 423,32.59 423,113.54 SW19.1
  Bottom w0.2: U4.2 109.17,100.09 v1(112.38,103.3)
D+: length 7.3
  Bottom w0.2: R3.1 95.83,107.48 95.5,107.8 95.5,112.1 96.23,112.83 U3.4
D-: length 7.3
  Bottom w0.2: R4.1 94.73,107.48 95.05,107.8 95.05,112.1 94.33,112.83 U3.6
DL+: length 15.3
  Top w0.25: v1(95.5,118.47) 94.83,119.14 94.83,122.85 95.08,123.1 95.58,123.1 95.83,122.84 95.83,121.6
  Bottom w0.25: 95.88,120.1 95.5,119.72 v1(95.5,118.47) 96.23,117.75 U3.3 ; 95.88,120.1 96.13,120.1 96.33,120.3 96.33,121.6 ; 95.88,120.1 95.53,120.1 95.33,120.29 95.33,121.6
DL-: length 16.6
  Top w0.25: 96.33,121.6 96.33,120.3 96.13,120.1 ; 96.13,120.1 95.53,120.1 95.33,120.29 95.33,121.6 ; 96.13,120.1 v1(96.13,119.3) 96.13,118.21 95.57,117.65 v1(94.83,117.65)
  Bottom w0.25: U3.1 94.33,117.15 v1(94.83,117.65) 94.83,117.65 94.83,122.85 95.08,123.1 95.58,123.1 95.83,122.84 95.83,121.6
ENC1_A: length 88.3
  Top w0.2: v1(16.65,106.67) v1(13.53,109.8)
  Bottom w0.2: R13.1 C22.2 12.76,110.56 v1(13.53,109.8) ; v1(16.65,106.67) 17.34,105.98 44.52,105.98 44.57,106.03 82.49,106.03 90.04,98.49 U4.37
ENC1_B: length 93
  Top w0.2: 12.78,116.58 v1(12.76,116.6) 12.76,114.86 v1(20.73,106.9)
  Bottom w0.2: v1(20.73,106.9) 21.31,106.31 44.39,106.31 44.44,106.36 82.63,106.36 90.1,98.89 U4.38 ; v1(12.76,116.6) R14.1 C23.2
ENC2_A: length 49.6
  Top w0.2: v1(103.23,88.1) 103.23,59.55 97.58,53.9 v1(97.58,52.8)
  Bottom w0.2: C10.2 R16.1 98.66,51.71 v1(97.58,52.8) ; v1(103.23,88.1) 103.23,89.87 99.08,94.02 U4.15
ENC2_B: length 42.4
  Top w0.2: v1(97.78,57.6) 100.68,60.5 v1(100.68,90.05)
  Bottom w0.2: v1(100.68,90.05) 100.68,91.95 98.68,93.95 U4.16 ; v1(97.78,57.6) 97.78,57.56 R15.1 C24.2
LCD_BL_PWM: length 30.2
  Top w0.2: v1(88.44,92.44) 86.69,90.69 LCD1.8
  Bottom w0.2: v1(88.44,92.44) 92.09,96.09 U4.31
LCD_CS: length 28.7
  Top w0.2: v1(89.23,91.5) LCD1.7
  Bottom w0.2: U4.30 92.15,95.69 89.23,92.77 v1(89.23,91.5)
LCD_DC: length 27.1
  Top w0.2: v1(91.77,92.3) LCD1.6
  Bottom w0.2: v1(91.77,92.3) 91.77,94.59 92.47,95.29 U4.29
LCD_MOSI/SDA: length 26.6
  Top w0.2: LCD1.4 96.85,90.02 v1(98.83,92)
  Bottom w0.2: U4.18 97.88,93.5 98.83,92.55 v1(98.83,92)
LCD_RESET: length 26.9
  Top w0.2: v1(92.68,93.1) 94.33,91.45 94.33,69.05 LCD1.5
  Bottom w0.2: U4.28 93.88,93.89 93.68,93.7 93.18,93.7 92.68,93.2 v1(92.68,93.1)
LCD_SCK/SCL: length 25.9
  Top w0.2: v1(99.39,91.25) LCD1.3
  Bottom w0.2: U4.17 98.28,93.56 99.39,92.44 v1(99.39,91.25)
LED_DAT_3V3: length 19.3
  Bottom w0.2: U5.2 85.24,113.2 87.4,111.04 87.4,102.51 90.22,99.69 U4.40
LED_DAT_5V: length 60.1
  Top w0.2: v1(26.13,119.15) 26.44,118.84 73.23,118.84 v1(78.98,113.1)
  Bottom w0.2: v1(78.98,113.1) 79.83,112.25 U5.4 ; v1(26.13,119.15) 25.92,119.36 25.92,120.41
LED_EN: length 23.2
  Top w0.2: v1(87.73,111.9) 85.98,113.65 v1(85.98,116.2)
  Bottom w0.2: v1(87.73,111.9) 87.73,102.65 90.29,100.09 U4.41 ; v1(85.98,116.2) 85.97,116.21 R7.2 85.38,116.95 85.13,117.2 U2.3
LED_NFAULT: length 4.7
  Bottom w0.2: R5.1 83.94,115.3 U2.4
LED_PWR: length 2687.1
  Top w0.4: v1(77.53,113.2) 77.53,101.75 v1(72.38,96.6) ; v1(113.68,113.65) 111.13,111.1 82.71,111.1 v1(79.34,114.46) 80.63,115.75 v1(80.63,119.7) ; v1(123.78,18.1) 115.48,26.4 115.48,92.9 v1(117.58,95)
  Bottom w0.4: 69.49,39.46 69.49,38.89 68.54,37.94 53.74,37.94 52.22,39.46 50.44,39.46 ; v1(123.78,18.1) 124.68,17.2 C9.1 ; C8.1 118.42,35.46 v1(115.48,38.4) ; 260.08,96.6 261.87,96.6 263.38,95.09 278.18,95.09 279.13,96.03 279.13,96.6 ; 245.73,39.4 245.73,38.84 244.78,37.89 229.98,37.89 228.47,39.4 226.68,39.4 ; v1(72.38,96.6) SW23.3 69.52,95.94 68.68,95.1 54.18,95.1 52.68,96.6 SW22.3 50.47,96.1 49.47,95.1 34.98,95.1 33.48,96.6 SW21.3 31.42,96.1 30.42,95.1 13.87,95.1 SW20.3 ; 312.41,120.41 312.41,119.92 311.48,119 291.78,119 290.37,120.41 288.59,120.41 ; 212.43,77.5 212.43,76.93 211.48,75.99 196.68,75.99 195.17,77.5 193.38,77.5 ; 198.18,58.5 199.97,58.5 201.48,56.99 216.28,56.99 217.23,57.93 217.23,58.5 ; SW73.3 352.59,58.5 354.09,57 380.58,57 381.46,57.88 SW74.3 383.42,58.5 384.92,57 420.98,57 421.94,57.96 SW75.3 ; SW99.3 127.62,15.64 C9.1 ; SW60.3 69.72,58.3 104.58,58.3 105.98,56.9 133.23,56.9 134.29,57.95 SW62.3 136.28,58.5 137.78,57 159.09,57 160.01,57.91 SW63.3 ; 164.79,96.56 164.79,95.99 163.84,95.04 149.04,95.04 147.52,96.56 145.74,96.56 ; SW76.3 15.66,29.93 23.63,37.9 30.48,37.9 31.42,38.84 SW77.3 ; 69.49,77.56 69.49,76.99 68.54,76.04 53.74,76.04 52.22,77.56 50.44,77.56 ; 336.18,96.6 337.97,96.6 339.48,95.09 354.28,95.09 355.23,96.03 355.23,96.6 ; 331.48,58.5 333.27,58.5 334.78,56.99 349.58,56.99 350.53,57.93 350.53,58.5 ; 50.49,77.56 50.49,76.99 49.54,76.04 34.74,76.04 33.22,77.56 31.44,77.56 ; 50.49,39.46 50.49,38.89 49.54,37.94 34.74,37.94 33.22,39.46 31.44,39.46 ; 31.44,58.46 33.22,58.46 34.74,56.94 49.54,56.94 50.49,57.89 50.49,58.46 ; U5.5 C13.1 79.66,114.15 v1(79.34,114.46) C4.1 ; 355.33,20.4 355.33,19.83 354.38,18.89 339.58,18.89 338.07,20.4 336.28,20.4 ; 321.98,39.4 323.77,39.4 325.28,37.89 340.08,37.89 341.03,38.83 341.03,39.4 ; 164.74,96.56 166.52,96.56 168.04,95.04 182.84,95.04 183.79,95.99 183.79,96.56 ; 269.58,77.5 271.37,77.5 272.88,75.99 287.68,75.99 288.63,76.93 288.63,77.5 ; 345.73,77.5 345.73,76.93 344.78,75.99 329.98,75.99 328.47,77.5 326.68,77.5 ; C4.1 77.44,116.28 73.31,120.41 69.52,120.41 69.52,119.79 68.53,118.8 54.11,118.8 52.49,120.41 50.47,120.41 50.47,119.79 49.48,118.8 35.23,118.8 33.61,120.41 31.42,120.41 ; C4.1 v1(77.53,113.2) ; 212.38,77.5 214.17,77.5 215.68,75.99 230.48,75.99 231.43,76.93 231.43,77.5 ; 250.58,120.37 250.58,119.9 249.53,118.85 234.83,118.85 233.32,120.37 231.53,120.37 ; 241.03,96.6 241.03,96.03 240.08,95.09 225.28,95.09 223.76,96.6 SW29.3 ; 113.68,116.2 116.38,118.9 126.18,118.9 127.14,119.86 127.14,120.41 129.17,120.41 130.68,118.9 149.58,118.9 150.48,119.8 150.48,120.41 152.37,120.41 153.88,118.9 168.68,118.9 169.53,119.75 169.53,120.41 171.27,120.41 172.78,118.9 187.68,118.9 188.58,119.8 188.58,120.41 190.37,120.41 191.88,118.9 206.73,118.9 207.63,119.8 207.63,120.41 209.47,120.41 210.98,118.9 230.48,118.9 231.44,119.86 231.44,120.41 ; 245.78,39.4 247.57,39.4 249.08,37.89 263.88,37.89 264.83,38.83 264.83,39.4 ; 298.08,96.6 299.87,96.6 301.38,95.09 316.18,95.09 317.13,96.03 317.13,96.6 ; 217.18,58.5 218.97,58.5 220.48,56.99 235.28,56.99 236.23,57.93 236.23,58.5 ; 274.33,58.5 274.33,57.93 273.38,56.99 258.58,56.99 257.07,58.5 255.28,58.5 ; SW36.3 357.08,96.6 358.58,95.1 382.98,95.1 383.84,95.96 SW37.3 385.58,96.6 387.08,95.1 421.01,95.1 421.94,96.03 SW38.3 ; 202.88,96.6 204.67,96.6 206.18,95.09 220.98,95.09 221.93,96.03 221.93,96.6 ; 331.48,120.37 331.48,119.8 330.53,118.85 315.73,118.85 314.22,120.37 312.43,120.37 ; 336.23,20.4 336.23,19.83 335.28,18.89 320.48,18.89 318.97,20.4 317.18,20.4 ; 298.13,96.6 298.13,96.03 297.18,95.09 282.38,95.09 280.87,96.6 279.08,96.6 ; 179.08,58.5 180.87,58.5 182.38,56.99 197.18,56.99 198.13,57.93 198.13,58.5 ; 50.54,58.46 52.32,58.46 53.84,56.94 68.64,56.94 69.59,57.89 69.59,58.46 ; 336.23,96.6 336.23,96.03 335.28,95.09 320.48,95.09 318.97,96.6 317.18,96.6 ; 207.63,39.4 207.63,38.83 206.68,37.89 191.88,37.89 190.37,39.4 188.58,39.4 ; 159.98,58.5 161.77,58.5 163.28,56.99 178.08,56.99 179.03,57.93 179.03,58.5 ; 226.73,39.4 226.73,38.83 225.78,37.89 210.98,37.89 209.47,39.4 207.68,39.4 ; 322.03,39.4 322.03,38.83 321.08,37.89 306.28,37.89 304.77,39.4 302.98,39.4 ; 283.88,39.4 285.67,39.4 287.18,37.89 301.98,37.89 302.93,38.83 302.93,39.4 ; C5.1 v1(113.68,113.65) 113.68,98.9 v1(117.58,95) 126.04,95 127.14,96.1 SW24.3 129.08,96.6 130.58,95.1 144.75,95.1 145.72,96.07 SW25.3 ; SW44.3 155.24,76.96 154.38,76.1 135.22,76.1 133.77,77.55 SW43.3 131.91,76.93 130.88,75.9 73.38,75.9 71.73,77.55 SW42.3 ; SW39.3 15.21,68.03 23.28,76.1 30.58,76.1 31.42,76.94 SW40.3 ; 269.53,120.37 271.32,120.37 272.83,118.85 287.63,118.85 288.58,119.8 288.58,120.37 ; 331.54,120.36 333.32,120.36 334.84,118.84 349.64,118.84 350.59,119.79 350.59,120.36 ; U2.6 81.23,119.1 v1(80.63,119.7) ; SW105.3 317.17,19.9 316.07,18.8 289.98,18.8 288.38,20.4 SW104.3 286.21,19.9 285.11,18.8 256.58,18.8 254.98,20.4 SW103.3 252.87,19.9 251.77,18.8 218.58,18.8 216.98,20.4 SW102.3 214.77,19.9 213.67,18.8 177.88,18.8 176.28,20.4 SW101.3 174.29,19.9 173.19,18.8 149.68,18.8 148.08,20.4 SW100.3 146.19,19.81 145.19,18.8 130.78,18.8 C9.1 ; SW79.3 71.93,39.45 78.18,33.2 97.48,33.2 98.33,34.05 SW80.3 102.67,34.69 103.58,35.6 118.99,35.6 121.19,37.8 138.08,37.8 139.05,38.77 SW81.3 141.23,39.45 142.78,37.9 168.48,37.9 169.53,38.95 SW82.3 ; 169.58,39.4 171.37,39.4 172.88,37.89 187.68,37.89 188.63,38.83 188.63,39.4 ; 369.59,120.36 369.59,119.79 368.64,118.84 353.84,118.84 352.32,120.36 350.54,120.36 ; 250.53,77.5 250.53,76.93 249.58,75.99 234.78,75.99 233.27,77.5 231.48,77.5 ; SW94.3 421.94,38.95 420.89,37.9 403.98,37.9 400.77,34.69 SW93.3 398.13,34.19 397.04,33.1 375.58,33.1 369.23,39.45 SW92.3 367.17,38.95 366.12,37.9 344.78,37.9 343.23,39.45 SW91.3 ; 98.29,15.66 98.29,15.09 97.34,14.14 82.54,14.14 81.02,15.66 79.24,15.66 ; 193.33,77.5 193.33,76.93 192.38,75.99 177.58,75.99 176.07,77.5 174.28,77.5 ; 202.89,96.56 202.89,95.99 201.94,95.04 187.14,95.04 185.62,96.56 183.84,96.56 ; 417.23,15.6 417.23,15.03 416.28,14.09 401.48,14.09 399.97,15.6 398.18,15.6 ; 421.94,120.41 421.94,119.86 420.98,118.9 396.78,118.9 395.27,120.41 393.37,120.41 393.37,119.93 392.28,118.84 373.08,118.84 371.51,120.41 369.56,120.41 ; C6.1 117.68,75.9 v1(115.48,78.1) ; 155.28,77.6 157.07,77.6 158.58,76.09 173.38,76.09 174.33,77.03 174.33,77.6 ; 31.44,20.36 33.22,20.36 34.74,18.84 49.54,18.84 50.49,19.79 50.49,20.36 ; 293.33,58.5 293.33,57.93 292.38,56.99 277.58,56.99 276.07,58.5 274.28,58.5 ; SW55.3 366.63,77.55 368.18,76 387.68,76 388.61,76.92 SW56.3 390.47,77.55 392.02,76 420.98,76 421.94,76.96 SW57.3 ; 307.68,77.5 309.47,77.5 310.98,75.99 325.78,75.99 326.73,76.93 326.73,77.5 ; 269.53,77.5 269.53,76.93 268.58,75.99 253.78,75.99 252.27,77.5 250.48,77.5 ; 98.34,15.66 100.12,15.66 101.64,14.14 116.44,14.14 117.39,15.09 117.39,15.66 ; 236.28,58.5 238.07,58.5 239.58,56.99 254.38,56.99 255.33,57.93 255.33,58.5 ; 240.98,96.6 242.77,96.6 244.28,95.09 259.08,95.09 260.03,96.03 260.03,96.6 ; v1(115.48,60.2) 118.55,57.13 C7.1 ; SW96.3 52.48,20.4 58.78,14.1 78.24,14.1 79.28,15.14 SW97.3 ; 364.83,77.5 364.83,76.93 363.88,75.99 349.08,75.99 347.57,77.5 345.78,77.5 ; 293.38,58.5 295.17,58.5 296.68,56.99 311.48,56.99 312.43,57.93 312.43,58.5 ; 398.13,15.6 398.13,15.03 397.18,14.09 382.38,14.09 380.87,15.6 379.08,15.6 ; 312.38,58.5 314.17,58.5 315.68,56.99 330.48,56.99 331.43,57.93 331.43,58.5 ; 250.53,120.37 252.32,120.37 253.83,118.85 268.63,118.85 269.58,119.8 269.58,120.37 ; SW107.3 357.78,20.4 364.18,14 377.94,14 379.08,15.14 SW108.3 ; 283.93,39.4 283.93,38.83 282.98,37.89 268.18,37.89 266.67,39.4 264.88,39.4 ; 307.63,77.5 307.63,76.93 306.68,75.99 291.88,75.99 290.37,77.5 288.58,77.5
